# KiCad board P5S533-TVM ISA R101G.kicad_pcb (continued)
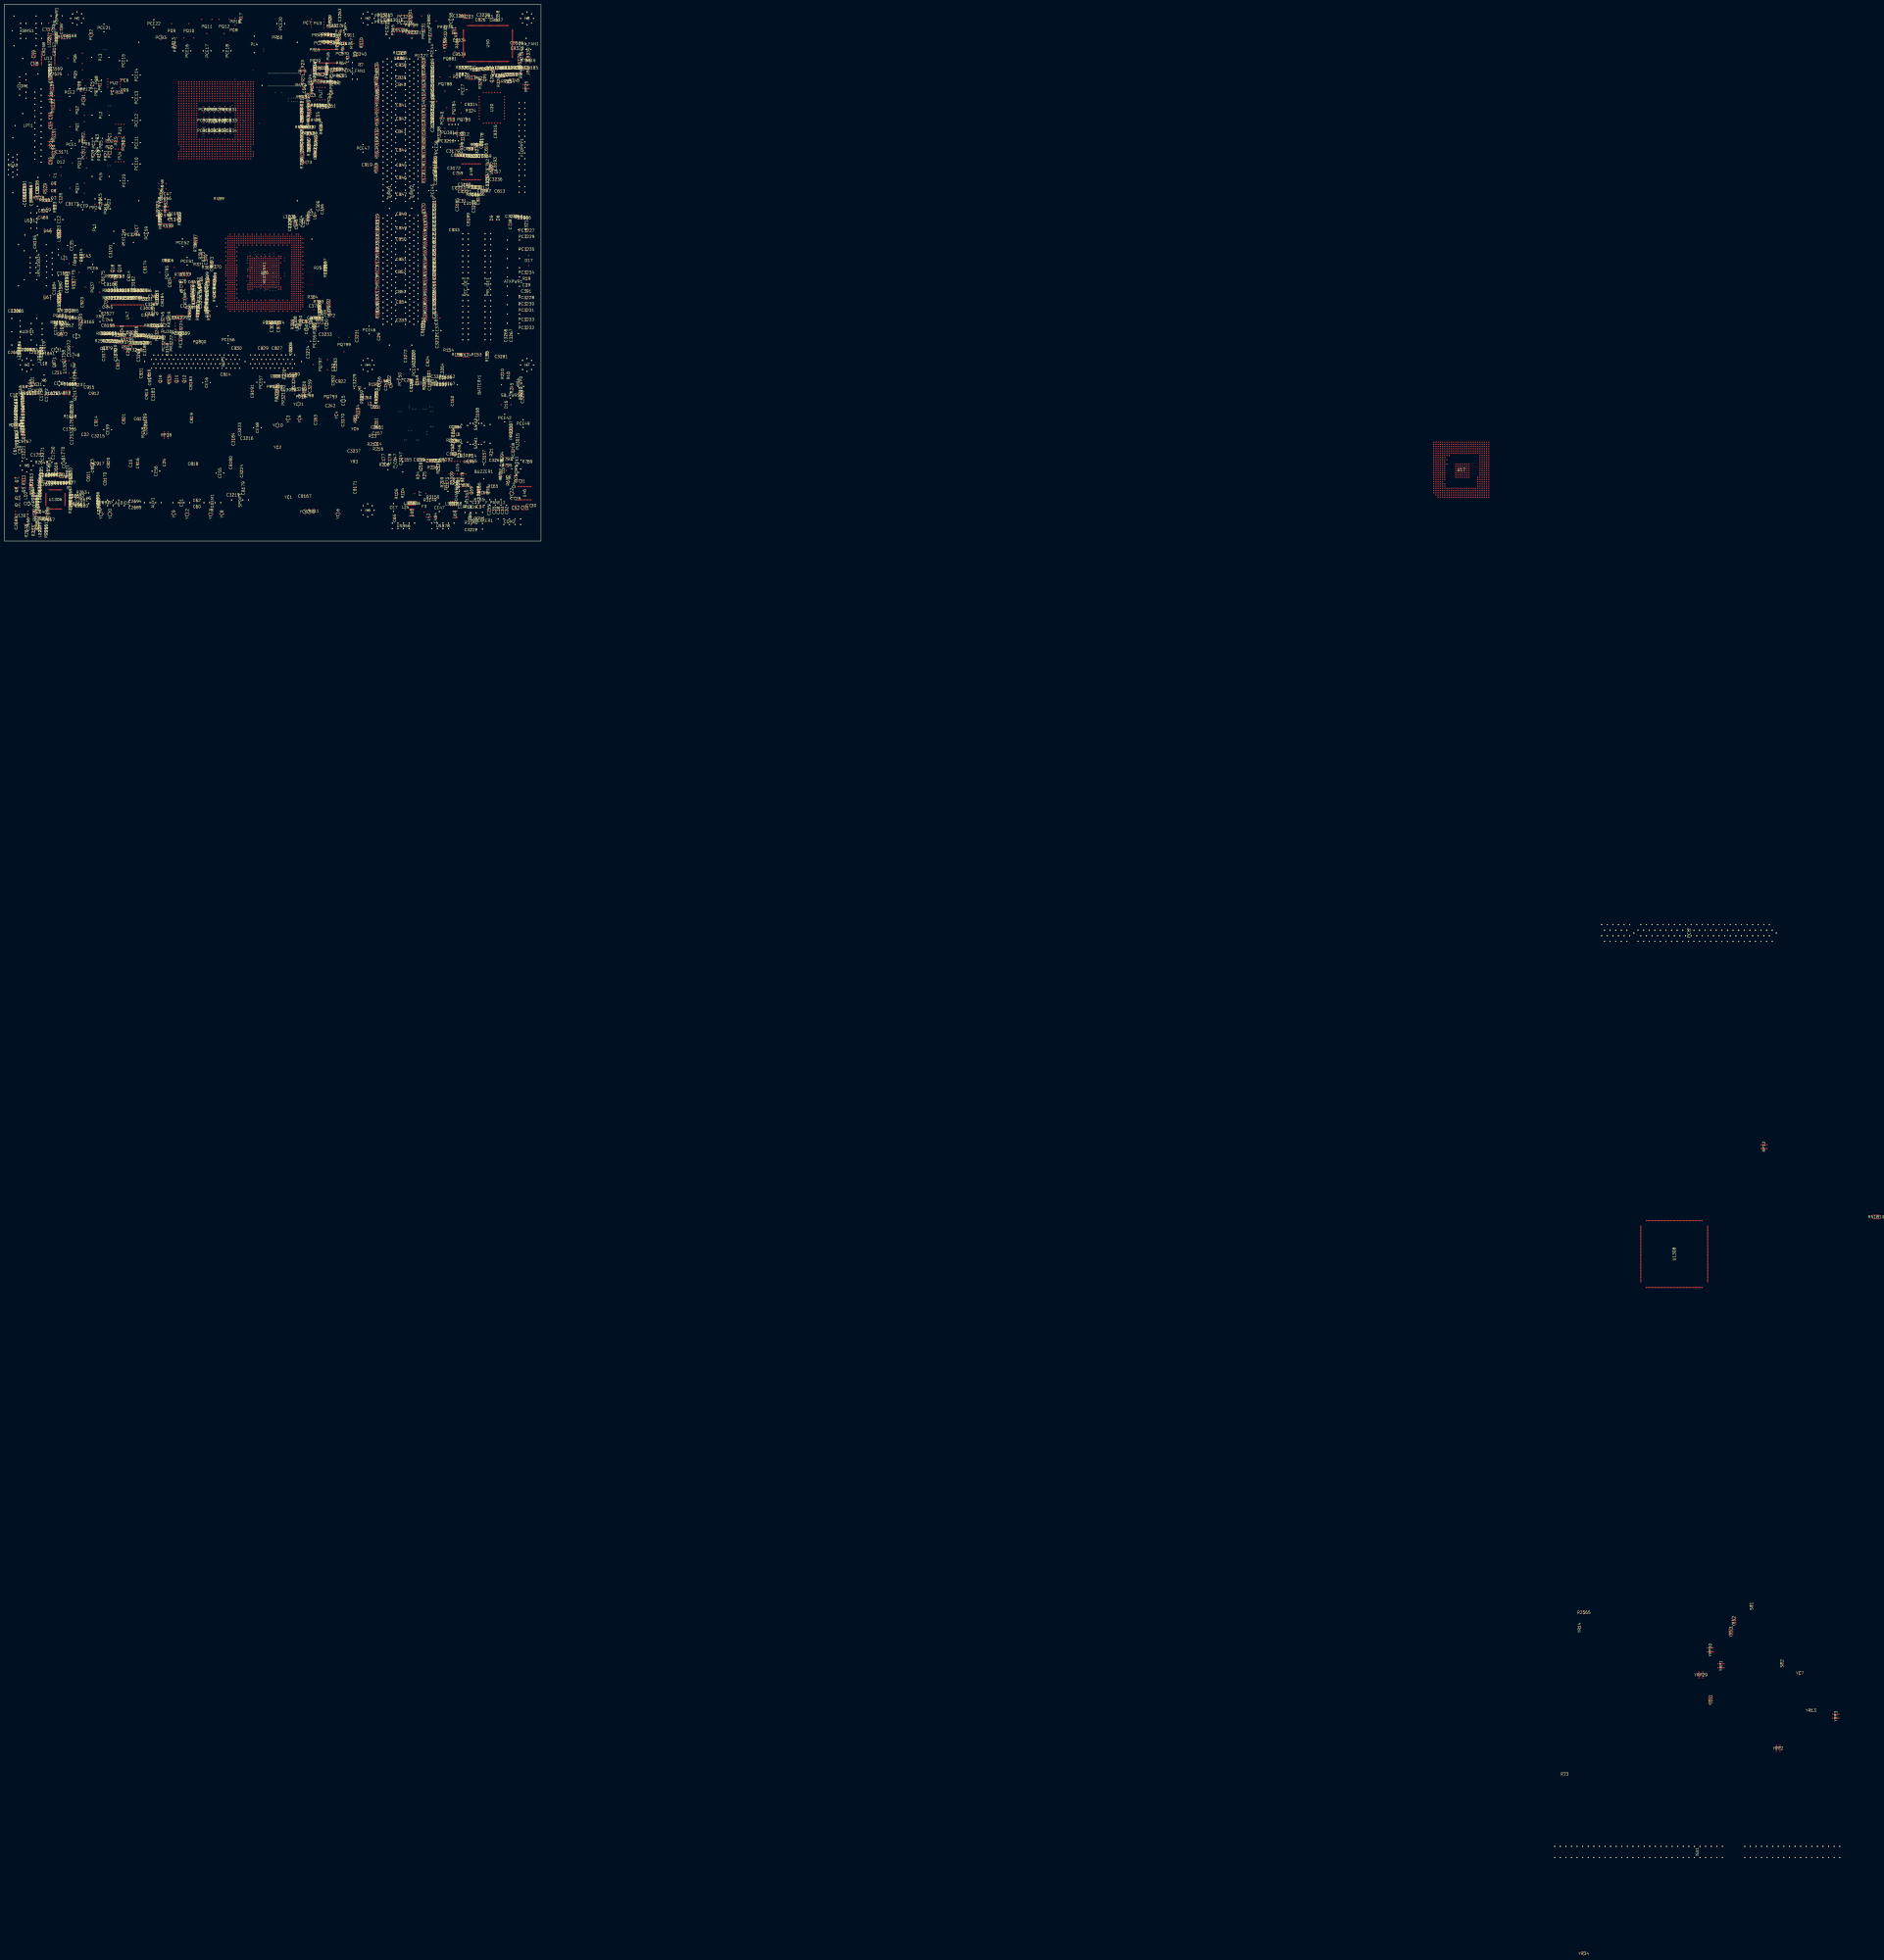
[diagram p0: board, top side]
## Nets (continued)
/+VTT_OUT_L: C53.1 C54.1 LGA775.574 R22.2 R473.2 R474.2 R487.1 R494.2 R495.2 R500.1 R501.1 R775.2 RN12.4 RN12.6 RN12.8 RN13.2 RN13.4 RN13.6
/+VTTCPU: C46.1 C47.1 C150.1 C165.1 CB93.1 CB94.1 CB95.1 CB96.1 CB97.1 CB98.1 CB99.1 L106.1 L107.2 LGA775.28 LGA775.29 LGA775.30 LGA775.31 LGA775.32 LGA775.33 LGA775.392 LGA775.393 LGA775.394 LGA775.395 LGA775.396 LGA775.397 LGA775.422 LGA775.423 LGA775.424 LGA775.425 LGA775.426 LGA775.427 LGA775.452 LGA775.453 LGA775.454 LGA775.455 LGA775.456 LGA775.457 PCE51.1 PCE52.1 PQ795.3 PR3219.2 R368.1 R369.2 R370.2 R478.2 R480.2 R481.2 R482.2 R483.2 R484.2 R485.2 R486.2 R496.2 R497.2 R499.2 R752.2 R781.2 R784.2 R785.2 R786.2 RN97.2 RN97.4 RN97.6 RN97.8 RN98.2 RN98.4 RN98.6 RN98.8 RN99.2 RN99.4 RN99.6 RN99.8 RP4.5 RP4.10 U17.36 U17.61 U26.8 U26.9 U26.10 U26.11 U26.12 U26.39 U26.411 U26.412 U26.413 U26.414 U26.415 U26.446 U26.447 U26.448 U26.449 U26.450 U26.481 U26.482 U26.483 U26.484 U26.485 U26.516 U26.517 U26.518 U26.519 U26.520 U26.545 U26.546 U26.547 U26.548 U26.549 U26.610 U26.611 U26.629 U26.630 U26.631 U26.632 U26.633 U26.634 U26.635 U26.636 U26.637 U26.662 U26.686 U26.710 U26.735 U26.759 U26.784 U26.809 U26.835
/+VTTCPU_CON_10: PC3246.1 PQ795.1 PU3017.1
/+VTTCPU_FB_10: PC3246.2 PR3219.1 PU3017.2
/+VTTCPU_REF_10: PC3242.1 PR3215.1 PR3218.2 PU3017.3
/+VTTDDR: C181.1 C182.1 C183.1 C184.1 C185.1 C186.1 C187.1 C188.1 C189.1 C190.1 C191.1 C192.1 C193.1 C194.1 C195.1 C196.1 C197.1 C198.1 C199.1 C200.1 C201.1 C202.1 C203.1 C204.1 C205.1 C206.1 C207.1 C208.1 C209.1 C210.1 C211.1 C212.1 C213.1 C214.1 C215.1 C216.1 C217.1 C218.1 C219.1 C220.1 C221.1 C222.1 C223.1 C224.1 C225.1 C226.1 C227.1 C228.1 C229.1 C230.1 C3235.2 CB106.2 CB107.2 CB115.2 PCE37.1 PCE38.1 PU3014.4 R226.2 RN36.2 RN36.4 RN36.6 RN36.8 RN38.2 RN38.4 RN38.6 RN38.8 RN40.2 RN40.4 RN40.6 RN40.8 RN41.2 RN41.4 RN41.6 RN41.8 RN43.2 RN43.4 RN43.6 RN43.8 RN45.2 RN45.4 RN45.6 RN45.8 RN46.2 RN46.4 RN46.6 RN46.8 RN47.2 RN47.4 RN47.6 RN47.8 RN48.2 RN48.4 RN48.6 RN48.8 RN49.2 RN49.4 RN49.6 RN49.8 RN51.2 RN51.4 RN51.6 RN51.8 RN52.2 RN52.4 RN52.6 RN52.8 RN54.2 RN54.4 RN54.6 RN54.8 RN55.2 RN55.4 RN55.6 RN55.8 RN57.2 RN57.4 RN57.6 RN57.8 RN58.2 RN58.4 RN58.6 RN58.8 RN61.2 RN61.4 RN61.6 RN61.8 RN63.2 RN63.4 RN63.6 RN63.8 RN65.2 RN65.4 RN65.6 RN65.8 RN67.2 RN67.4 RN67.6 RN67.8 RN70.2 RN70.4 RN70.6 RN70.8 RN72.2 RN72.4 RN72.6 RN72.8 RN74.2 RN74.4 RN74.6 RN74.8 RN76.2 RN76.4 RN76.6 RN76.8 RN79.2 RN79.4 RN79.6 RN79.8 RN81.2 RN81.4 RN81.6 RN81.8
/+VTTDDR_REF_10: PC3213.1 PR3196.2 PR3198.1 PU3014.3 PU3014.5
/_BEEP_AC: C2677.1 R1.2 U1306.12
/_FRONT_MIC: C2646.2 U1306.34
/A1AVDD: C3205.1 C3206.1 L3027.1 U26.402
/A_D0: PCI2.58 U17.487 U1308.32
/A_D1: PCI2.118 U17.473 U1308.31
/A_D2: PCI2.57 U17.474 U1308.30
/A_D3: PCI2.116 U17.475 U1308.29
/A_D4: PCI2.55 U17.476 U1308.27
/A_D5: PCI2.115 U17.455 U1308.26
/A_D6: PCI2.54 U17.456 U1308.25
/A_D7: PCI2.113 U17.457 U1308.24
/A_D8: PCI2.112 U17.437 U1308.21
/A_D9: PCI2.51 U17.438 U1308.20
/A_D10: PCI2.110 U17.439 U1308.19
/A_D11: PCI2.49 U17.440 U1308.17
/A_D12: PCI2.109 U17.419 U1308.16
/A_D13: PCI2.48 U17.420 U1308.15
/A_D14: PCI2.107 U17.421 U1308.14
/A_D15: PCI2.46 U17.422 U1308.13
/A_D16: PCI2.34 U17.367 U1308.159
/A_D17: PCI2.94 U17.368 U1308.158
/A_D18: PCI2.33 U17.347 U1308.157
/A_D19: PCI2.28 PCI2.92 U17.348 U1308.156
/A_D20: PCI2.31 U17.349 U1308.155
/A_D21: PCI2.91 U17.350 U1308.154
/A_D22: PCI2.30 U17.336 U1308.153
/A_D23: PCI2.89 U17.337 U1308.151 U1308.152
/A_D24: PCI2.27 U17.339 U1308.149
/A_D25: PCI2.86 U17.325 U1308.147
/A_D26: PCI2.25 U17.326 U1308.145
/A_D27: PCI2.85 U17.327 U1308.144
/A_D28: PCI2.24 U17.328 U1308.143
/A_D29: PCI2.83 U17.313 U1308.142
/A_D30: PCI2.22 U17.314 U1308.141
/A_D31: PCI2.82 U17.315 U1308.140
/AAD0: AGP1.64 U26.820
/AAD1: AGP1.126 U26.792
/AAD2: AGP1.62 U26.767
/AAD3: AGP1.124 U26.794
/AAD4: AGP1.61 U26.769
/AAD5: AGP1.123 U26.741
/AAD6: AGP1.59 U26.770
/AAD7: AGP1.121 U26.743
/AAD8: AGP1.118 U26.692
/AAD9: AGP1.55 U26.720
/AAD10: AGP1.117 U26.693
/AAD11: AGP1.53 U26.721
/AAD12: AGP1.115 U26.669
/AAD13: AGP1.52 U26.694
/AAD14: AGP1.114 U26.643
/AAD15: AGP1.50 U26.696
/AAD16: AGP1.42 U26.601
/AAD17: AGP1.103 U26.602
/AAD18: AGP1.41 U26.591
/AAD19: AGP1.101 U26.604
/AAD20: AGP1.39 U26.580
/AAD21: AGP1.100 U26.581
/AAD22: AGP1.38 U26.593
/AAD23: AGP1.98 U26.582
/AAD24: AGP1.33 U26.584
/AAD25: AGP1.95 U26.573
/AAD26: AGP1.32 U26.561
/AAD27: AGP1.94 U26.574
/AAD28: AGP1.30 U26.536
/AAD29: AGP1.92 U26.562
/AAD30: AGP1.29 U26.501
/AAD31: AGP1.91 U26.564
/AC97_VREF: C2662.2 C2663.2 U1306.27
/AC_BITCLK: C2652.1 R2657.1 U17.68
/AC_POP: RN11.2 RN11.4 RN11.6 U17.2
/AC_RST#: U17.174 U1306.11
/AC_SDIN0: R213.1 R2654.1 U17.253
/AC_SDIN1: R216.1 U17.173
/AC_SDOUT: R211.1 U17.43 U1306.5
/AC_SYNC: C11.1 U17.67 U1306.10
/ACK#: RN189.6 U50.34
/ACTLEDP: C1777.1 LAN_USB34.22 RN877.8
/ACXI: C2660.1 R263.2 R2665.1 U1306.2 X5.1
/ACXO: C2661.1 R2665.2 U1306.3 X5.2
/ADEVSEL#: AGP1.107 U26.600
/ADP_COMP_10: PC29.2 PR51.2 PU6.9
/ADSTB0: AGP1.120 U26.718
/ADSTB0#: AGP1.58 U26.742
/ADSTB1: AGP1.97 U26.560
/ADSTB1#: AGP1.35 U26.571
/AEN: ISA1.42 U1308.73 YRN3.1
/AFD#: CN5.3 LPT1.14 RN190.3 RP24.3
/AFILT1: C2664.2 U1306.29
/AFILT2: C2668.2 U1306.30
/AFRAME#: AGP1.44 U26.647
/AGNT#: AGP1.11 U26.507
/AGP_RST#: AGP1.10 U50.93
/AGPCLK: AGP1.72 C756.2 R2540.2
/AGPCOMPN: R366.1 U26.817
/AGPCOMPP: R367.1 U26.790
/AIRDY#: AGP1.106 U26.620
/AM7: LGA775.314 T5.1
/AN7: LGA775.344 R23.1
/APAR: AGP1.49 U26.644
/APERR: AGP1.109 RN34.8
/APICCLK: R3167.2 U17.170
/AREFCG: AGP1.127 C180.1 R220.2 R221.2 R222.1
/AREQ#: AGP1.73 U26.435
/ASERR#: AGP1.111 U26.672
/ASTOP#: AGP1.46 U26.618
/ATRDY#: AGP1.45 U26.645
/AUX: R1648.1 U1304.3
/AUX_IN_L: AUX1.1 C2672.2 RN1811.2
/AUX_IN_R: AUX1.4 C2669.2 RN1811.4
/AUX_L: C2672.1 U1306.14
/AUX_R: C2669.1 U1306.15
/AUXOK: C9.1 C14.2 R387.2 RN1.6 U17.1 U26.273 U50.75
/AVREFGC: AGP1.65 CB25.1 CB26.1 U26.791
/AXAVDD: C342.1 C343.1 L60.1 U26.3
/BALE: ISA1.28 U1308.74 YRN3.3
/BASS: C2648.2 C2649.1 L2022.1 R2655.2 RN1810.3
/BAT: CB540.1 CLRTC1.3 D10.3 U50.74
/BAT1: BATTERY1.1 R210.1
/BAT2: D10.2 R210.2
/BATOK: C173.2 D11.1 R209.1 U17.225
/BATT: C179.1 CLRTC1.2 D11.2 R70.2 R209.2 R3168.2 U17.198
/BCLK: ISA1.20 U1308.70 YC7.1
/BE0#: AGP1.56 PCI2.52 U17.458 U26.745 U1308.23
/BE1#: AGP1.112 PCI2.106 U17.401 U26.671 U1308.12
/BE2#: AGP1.104 PCI2.95 U17.366 U26.621 U1308.2
/BE3#: AGP1.36 PCI2.88 U17.338 U26.594 U1308.150
/BEEP_AC: Q33.3 R165.2 R2670.1 U50.118
/BIOSWP#: BIOS_WP0.1 R245.1 U50.88
/BK_LINE_OUT_LT: C2694.1 FP_AUDIO1.10 L2021.1 R217.2 R2678.2
/BK_LINE_OUT_RT: C2691.1 FP_AUDIO1.6 L2020.1 R215.2 R2677.2
/BLINK_PLED: Q69.1 R1703.2 U17.175
/BLUE: C141.1 L47.2 VGA1.3
/BNR#: LGA775.399 U26.786
/BOOTSEL: LGA775.764 R488.1
/BSEL0: LGA775.542 Q18.2 RP4.2
/BSEL0_CLK: Q18.3 RN17.5 RN195.6
/BSEL1: LGA775.573 Q19.2 RP4.3
/BSEL1_CLK: Q19.3 RN17.7 RN195.8
/BSEL2: LGA775.543 RP4.4
/BST1_20: PC1.1 PD2.1 PD2.2 PU1.1
/BST2_20: PC10.1 PD5.1 PD5.2 PU4.1
/BST3_20: PC7.1 PD4.1 PD4.2 PU3.1
/BST4_20: PC4.1 PD3.1 PD3.2 PU2.1
/BUSY: RN189.4 U50.33
/C1AVDD: C344.1 C345.1 L61.1 U26.199
/CBLIDA: PRI_IDE1.34 U17.134
/CBLIDB: SEC_IDE1.34 U17.141
/CCTS1#: CN8.5 COM1.8 U13.7
/CCTS2#: CN1.5 COM2.8 U46.7
/CD_GND: C2678.1 U1306.19
/CD_IN_GND: C2678.2 CD1.2 CD1.3 R2672.2
/CD_IN_L: C2676.2 CD1.1 RN1811.6
/CD_IN_R: C2675.2 CD1.4 RN1811.8
/CD_L: C2676.1 U1306.18
/CD_R: C2675.1 U1306.20
/CENTER: C2647.2 C2650.1 L2023.1 R2656.2 RN1810.1
/CHASFAN1: RN178.6 U50.113
/CHASSIS: CHASSIS1.3 R71.2 R3168.1 U50.76
/CK_PCI_FWH: R773.2 U30.31
/CKE0: DIMM1.21 RN92.8 U26.310
/CKE1: DIMM1.111 RN92.6 U26.377
/CKE2: DIMM2.21 RN92.4 U26.344
/CKE3: DIMM2.111 RN92.2 U26.309
/CLK_14_660: C779.2 R2561.2 U26.7
/CLK_14_AC97: C12.1 R262.2 R263.1
/CLKCPUPG: C3006.2 D3009.1 R305.1 R756.2 U47.33
/CLKREF_IN: R2533.1 U47.38
/CLKRST#: R2528.2 U47.4
/CLKRUN#: U1308.133 YRN3.7
/CLKVCC1: C26.1 C27.2 C28.2 C739.1 C740.1 C741.1 C742.1 C743.1 C744.1 C815.1 C920.2 C3187.1 C3189.1 CB16.2 CB186.1 CB188.2 L103.2 R3239.2 RN17.6 RN17.8 U47.1 U47.11 U47.13 U47.19 U47.28 U47.29 U47.42 U47.48
/CLKVCC_2.5V: C31.1 C615.2 C616.2 C758.1 C759.1 C760.1 C761.1 C762.1 C3166.1 C3167.1 C3190.2 CB15.2 L105.2 R801.2 U48.3 U48.12 U48.23
/CN_L_OUT_L: AUDIO1.22 C2683.1 L2021.2
/CN_L_OUT_R: AUDIO1.25 C2682.1 L2020.2
/CN_LINE_IN_L: AUDIO1.32 C2681.1 L2019.2
/CN_LINE_IN_R: AUDIO1.35 C2680.1 L2018.2
/CN_MIC: AUDIO1.2 C2685.1 L2023.2
/CN_MIC_PWR: AUDIO1.5 C2684.1 L2022.2
/COMP0: LGA775.16 R489.2
/COMP1: LGA775.700 R490.2
/COMP2: LGA775.515 R491.2
/COMP3: LGA775.684 R492.2
/COMP4: LGA775.575 R500.2
/COMP5: LGA775.701 R501.2
/CPU_FAN_CON_10: PC3260.2 PR3232.1 PU3018.7
/CPU_FAN_FB_10: PR3230.1 PR3233.2 PU3018.5
/CPU_FAN_REF_10: PC3260.1 PRN400.6 PU3018.6
/CPU_FANPWR: CB185.2 J1.1 PCE58.1 PQ880.2 PR3230.2 R315.2
/CPU_GTLREF0: C44.1 LGA775.544 R476.1
/CPU_GTLREF1: C63.1 LGA775.545 R780.1
/CPUCLK: LGA775.512 R8.1 R2529.2 R2530.1 TP1.1
/CPUCLK#: LGA775.541 R9.1 R2531.2 R2532.1 TP2.1
/CPUDXP: C37.1 LGA775.278 R138.1 U50.103
/CPUFAN_PWM1: CPU_FAN1.4 Q2.3 R7.2 RN10.1
/CPUFANPWM: RN178.4 U50.112
/CPURST#: LGA775.536 R475.1 R505.1 R775.1 U26.417
/CSCOMP_10: PC32.1 PC33.1 PR59.2 PR60.2 PU6.18
/CSN_10: PJP1.1 PJP2.1 PJP3.1 PJP4.1 PR1024.2
/CSREF_10: PC36.1 PR1024.1 PU6.16
/CSSUM_10: PC32.2 PC33.2 PR48.2 PR50.2 PR53.2 PR54.2 PR61.2 PU6.17
/CTRL18: R1652.1
/CTRL25: Q871.1
/CTS1#: U13.14 U50.49
/CTS2#: U46.14 U50.78
/CXAVDD: C3207.1 C3208.1 L3208.1 U26.200
/D2#: R801.1 R3233.1 U48.21
/D+5V: D12.2 F1.1 R2526.1 RN28.2 RN28.4 RP23.5 RP23.10 RP24.5 RP24.10
/DACK0#: ISA1.70 U1308.44
/DACK1#: ISA1.17 U1308.43
/DACK2#: ISA1.26 U1308.42
/DACK3#: ISA1.15 U1308.39
/DACK5#: ISA1.72 U1308.38
/DACK6#: ISA1.74 U1308.37
/DACK7#: ISA1.76 U1308.36
/DBI_HI: AGP1.15 U26.433
/DBI_LO: AGP1.79 U26.470
/DCD1#: U13.19 U50.56
/DCD2#: U46.19 U50.84
/DCLK0: C766.2 DIMM1.137 U48.26
/DCLK0#: C765.2 DIMM1.138 U48.27
/DCLK1: C770.2 DIMM1.16 U48.17
/DCLK1#: C769.2 DIMM1.17 U48.16
/DCLK2: C772.2 DIMM1.63 DIMM1.76 DIMM2.63 RN48.1 U26.289 U48.4
/DCLK2#: C771.2 DIMM1.75 U48.5
/DCLK3: C774.2 DIMM2.137 U48.2
/DCLK3#: C777.2 DIMM2.138 U48.1
/DCLK4: C780.2 DIMM2.16 U48.24
/DCLK4#: C781.2 DIMM2.17 U48.25
/DCLK5: C784.2 DIMM2.76 U48.13
/DCLK5#: C782.2 DIMM2.75 U48.14
/DCS#0: DIMM1.157 RN47.3 U26.252
/DCS#1: DIMM1.158 RN47.7 U26.216
/DCS#2: DIMM1.170 DIMM2.157 DIMM2.170 RN43.7 RN47.1 RN78.4 U26.287
/DCS#3: DIMM1.174 DIMM2.158 DIMM2.174 RN40.5 RN47.5 RN75.8 U26.358
/DDCD1#: CN9.7 COM1.1 U13.2
/DDCD2#: CN2.7 COM2.1 U46.2
/DDQS0: DIMM1.5 DIMM2.5 R226.1 R392.2
/DDQS1: DIMM1.14 DIMM2.14 R395.2 RN55.1
/DDQS2: DIMM1.25 DIMM2.25 RN52.3 RN64.6
/DDQS3: DIMM1.36 DIMM2.36 RN53.6 RN76.3
/DDQS4: DIMM1.56 DIMM2.56 R403.2 RN65.5
/DDQS5: DIMM1.67 DIMM2.67 RN46.3 RN68.6
/DDQS6: DIMM1.78 DIMM2.78 RN41.1 RN78.6
/DDQS7: DIMM1.86 DIMM2.86 R408.2 RN38.7
/DDR_VREF: CB35.1 CB36.1 CB37.1 DIMM1.1 DIMM2.1 R1227.1 R1228.2
/DDRAVDD: C354.1 C355.1 L64.1 U26.270
/DDRCOMN: R383.1 U26.314
/DDRCOMP: R384.1 U26.349
/DDRVREF: CB80.2 CB81.1 CB82.1 R390.1 R396.2 U26.153 U26.154
/DDSR1#: CN9.5 COM1.6 U13.3
/DDSR2#: CN2.5 COM2.6 U46.3
/DDTR1#: CN8.3 COM1.4 U13.8
/DDTR2#: CN1.3 COM2.4 U46.8
/DELAY_10: PC34.1 PR63.1 PU6.12
/DENSEL#: FLOPPY1.2 U50.1
/DEVSEL#: PCI2.99 RP12.2 U17.384 U1308.6
/DIR#: FLOPPY1.18 U50.8
/DLLAVDD: C304.1 C305.1 L54.1 U26.235
/DLLEN#: R381.1 U26.509
/DM0: DIMM1.97 DIMM2.97 RN37.2 RN57.1
/DM1: DIMM1.107 DIMM2.107 RN42.4 RN55.5
/DM2: DIMM1.119 DIMM2.119 RN50.2 RN51.1
/DM3: DIMM1.129 DIMM2.129 RN53.8 RN76.5
/DM4: DIMM1.149 DIMM2.149 RN61.1 RN62.4
/DM5: DIMM1.159 DIMM2.159 RN46.1 RN68.4
/DM6: DIMM1.169 DIMM2.169 RN43.5 RN78.2
/DM7: DIMM1.177 DIMM2.177 RN38.5 RN80.8
/DQM0: RN37.1 U26.376
/DQM1: RN42.3 U26.373
/DQM2: RN50.1 U26.229
/DQM3: RN53.7 U26.330
/DQM4: RN62.3 U26.220
/DQM5: RN68.3 U26.322
/DQM6: RN78.1 U26.282
/DQM7: RN80.7 U26.280
/DQS0: R392.1 U26.340
/DQS1: R395.1 U26.338
/DQS2: RN64.5 U26.370
/DQS3: RN53.5 U26.366
/DQS4: R403.1 U26.361
/DQS5: RN68.5 U26.357
/DQS6: RN78.5 U26.354
/DQS7: R408.1 U26.351
/DRAM_SEL: R386.1 U26.307
/DRQ0: ISA1.71 U1308.51 YRP1.1
/DRQ1: ISA1.18 U1308.50 YRP1.2
/DRQ2: ISA1.6 U1308.49 YRP1.3
/DRQ3: ISA1.16 U1308.48 YRP1.4
/DRQ5: ISA1.73 U1308.47 YRP1.6
/DRQ6: ISA1.75 U1308.46 YRP1.7
/DRQ7: ISA1.77 U1308.45 YRP1.8
/DRVA#: FLOPPY1.14 U50.6
/DSCAS#: DIMM1.65 DIMM2.65 RN48.7 U26.360
/DSKCHG#: FLOPPY1.34 RP25.3 U50.17
/DSR1#: U13.18 U50.50
/DSR2#: U46.18 U50.79
/DSRAS#: DIMM1.154 DIMM1.173 DIMM2.154 RN49.7 U26.217
/DTR1#: RN203.3 U13.13 U50.52
/DTR2#: U46.13 U50.81
/EECS: U1304.1
/EEDO: U1304.4
/EESK: R1649.1 U1304.2
/EN_AS: R56.1 U50.70
/ERROR#: RN190.6 U50.45
/F_LINE_OUT_LT: C2689.1 FP_AUDIO1.9 L11.2 L2024.2 R217.1
/F_LINE_OUT_RT: C2690.1 FP_AUDIO1.5 L10.2 L2025.2 R215.1
/F_MIC: C2693.1 FP_AUDIO1.1 L2027.2
/F_MIC_PWR: C2692.1 FP_AUDIO1.3 RN1810.7
/FANDC: PRN400.1 R358.1
/FANPWM: Q2.2 R7.1 U50.115
/FB+_10: PC27.1 PC873.1 PR47.2 PR3235.1
/FB-_10: PC23.2 PC873.2 PR38.1 PR3234.1
/FB_JP24_10: PJP7.2 PR3234.2
/FB_JP25_10: PJP6.2 PR3235.2
/FB_OUT: C3276.1 C3277.1 R79.2 R3230.2 U48.20
/FBRTN_10: PC23.1 PR38.2 PR39.1 PU6.7
/FC17: LGA775.766 R504.2
/FC18: LGA775.100 R503.2
/FRAME#: PCI2.36 RP12.4 U17.365 U1308.3
/FRONT_MIC: C2646.1 L2027.1 RN1810.5
/FWDSDCLK1: R3064.1 R3156.2
/FWDSDCLK2: R3065.1 R3157.2
/FWDSDCLK_IN: C790.1 R3064.2 R3065.2 U48.8
/FWHHINIT#: Q20.3 R326.1 U30.24
/FWHIC: R324.1 U30.29
/FWHWP#: R54.1 U17.26
/GC_DET#: AGP1.6 Q10.1 RN34.1 U26.436
/GNT1#: PCI2.19 U17.301
/GNT2#: U17.300 U1308.138 YR3.2
/GNT3#: U17.299
/GNT4#: U17.316
/GPIO11: R2.1 R3.1 U17.279
/GREEN: C140.1 L46.2 VGA1.2
/GTLREF_SEL: LGA775.572 R533.1
/HA20M#: LGA775.606 R752.1 U17.118
/HA#3: LGA775.624 U26.44
/HA#4: LGA775.673 U26.836
/HA#5: LGA775.640 U26.41
/HA#6: LGA775.623 U26.45
/HA#7: LGA775.639 U26.68
/HA#8: LGA775.687 U26.67
/HA#9: LGA775.704 U26.70
/HA#10: LGA775.721 U26.94
/HA#11: LGA775.703 U26.91
/HA#12: LGA775.720 U26.118
/HA#13: LGA775.719 U26.95
/HA#14: LGA775.736 U26.116
/HA#15: LGA775.735 U26.115
/HA#16: LGA775.752 U26.93
/HA#17: LGA775.55 U26.170
/HA#18: LGA775.753 U26.158
/HA#19: LGA775.769 U26.144
/HA#20: LGA775.767 U26.143
/HA#21: LGA775.37 U26.145
/HA#22: LGA775.87 U26.160
/HA#23: LGA775.38 U26.180
/HA#24: LGA775.54 U26.141
/HA#25: LGA775.70 U26.171
/HA#26: LGA775.53 U26.177
/HA#27: LGA775.132 U26.190
/HA#28: LGA775.131 U26.157
/HA#29: LGA775.163 U26.191
/HA#30: LGA775.161 U26.169
/HA#31: LGA775.162 U26.178
/HADS#: LGA775.429 U26.788
/HADSTB0#: LGA775.689 U26.43
/HADSTB1#: LGA775.86 U26.167
/HBPM0#: ITP1.17 LGA775.219 RN14.1
/HBPM1#: ITP1.15 LGA775.218 RN16.1
/HBPM2#: ITP1.11 LGA775.83 RN16.3
/HBPM3#: ITP1.9 LGA775.159 RN16.5
/HBPM4#: ITP1.5 LGA775.129 RN16.7
/HBPM5#: ITP1.3 LGA775.160 RN15.1
/HBPRI#: LGA775.521 U26.715
/HBREQ0#: LGA775.487 R473.1 R779.2 U26.761
/HD#0: LGA775.371 U26.690
/HD#1: LGA775.402 U26.667
/HD#2: LGA775.7 U26.666
/HD#3: LGA775.403 U26.615
/HD#4: LGA775.8 U26.688
/HD#5: LGA775.373 U26.687
/HD#6: LGA775.374 U26.639
/HD#7: LGA775.10 U26.641
/HD#8: LGA775.13 U26.616
/HD#9: LGA775.14 U26.598
/HD#10: LGA775.377 U26.614
/HD#11: LGA775.408 U26.612
/HD#12: LGA775.435 U26.596
/HD#13: LGA775.379 U26.665
/HD#14: LGA775.409 U26.595
/HD#15: LGA775.438 U26.589
/HD#16: LGA775.522 U26.576
/HD#17: LGA775.492 U26.569
/HD#18: LGA775.493 U26.585
/HD#19: LGA775.465 U26.587
/HD#20: LGA775.434 U26.558
/HD#21: LGA775.466 U26.578
/HD#22: LGA775.437 U26.568
/HD#23: LGA775.495 U26.588
/HD#24: LGA775.496 U26.555
/HD#25: LGA775.440 U26.534
/HD#26: LGA775.469 U26.498
/HD#27: LGA775.526 U26.532
/HD#28: LGA775.498 U26.556
/HD#29: LGA775.527 U26.464
/HD#30: LGA775.499 U26.565
/HD#31: LGA775.528 U26.499
/HD#32: LGA775.529 U26.497
/HD#33: LGA775.471 U26.495
/HD#34: LGA775.472 U26.530
/HD#35: LGA775.531 U26.428
/HD#36: LGA775.530 U26.496
/HD#37: LGA775.501 U26.429
/HD#38: LGA775.502 U26.427
/HD#39: LGA775.474 U26.462
/HD#40: LGA775.475 U26.493
/HD#41: LGA775.504 U26.461
/HD#42: LGA775.477 U26.425
/HD#43: LGA775.505 U26.424
/HD#44: LGA775.534 U26.459
/HD#45: LGA775.478 U26.423
/HD#46: LGA775.449 U26.553
/HD#47: LGA775.535 U26.528
/HD#48: LGA775.447 U26.422
/HD#49: LGA775.444 U26.457
/HD#50: LGA775.17 U26.492
/HD#51: LGA775.412 U26.421
/HD#52: LGA775.411 U26.526
/HD#53: LGA775.382 U26.490
/HD#54: LGA775.415 U26.491
/HD#55: LGA775.383 U26.420
/HD#56: LGA775.20 U26.419
/HD#57: LGA775.385 U26.455
/HD#58: LGA775.418 U26.551
/HD#59: LGA775.388 U26.489
/HD#60: LGA775.386 U26.487
/HD#61: LGA775.22 U26.418
/HD#62: LGA775.25 U26.522
/HD#63: LGA775.389 U26.453
/HDBI0#: LGA775.11 U26.712
/HDBI1#: LGA775.524 U26.533
/HDBI2#: LGA775.446 U26.426
/HDBI3#: LGA775.417 U26.552
/HDBSY#: LGA775.369 U26.763
/HDEFER#: LGA775.520 U26.739
/HDRDY#: LGA775.398 U26.814
/HDSEL#: FLOPPY1.32 U50.16
/HDSTBN0#: LGA775.405 U26.663
/HDSTBN1#: LGA775.525 U26.567
/HDSTBN2#: LGA775.533 U26.554
/HDSTBN3#: LGA775.19 U26.488
/HDSTBP0#: LGA775.376 U26.638
/HDSTBP1#: LGA775.468 U26.575
/HDSTBP2#: LGA775.532 U26.494
/HDSTBP3#: LGA775.414 U26.524
/HFERR#: LGA775.686 R486.1 U17.144
/HG1_20: PQ1.1 PQ2.1 PR1.2 PR2.1
/HG2_20: PQ13.1 PQ14.1 PR19.2 PR20.2
/HG3_20: PQ9.1 PQ10.1 PR13.2 PR14.2
/HG4_20: PQ5.1 PQ6.1 PR7.2 PR8.1
/HIERR#: LGA775.51 R472.1
/HIGNNE#: LGA775.653 R482.1 U17.116
/HINIT#: LGA775.670 R327.1 R474.1 U17.63
/HINTR: LGA775.604 R480.1 U17.90
/HIT#: LGA775.431 U26.764
/HITM#: LGA775.460 U26.716
/HLOCK#: LGA775.400 U26.737
/HNCMPVREF: C349.1 R368.2 R372.1 U26.416
/HNCOMP: R370.1 U26.451
/HNMI: LGA775.620 R481.1 U17.117
/HPCOMP: R373.1 U26.486
/HREQ0#: LGA775.607 U26.839
/HREQ1#: LGA775.578 U26.813
/HREQ2#: LGA775.641 U26.811
/HREQ3#: LGA775.609 U26.837
/HREQ4#: LGA775.579 U26.815
/HRS0#: LGA775.370 U26.765
/HRS1#: LGA775.489 U26.736
/HRS2#: LGA775.6 U26.714
/HSDAC+: R1657.2
/HSMI#: LGA775.669 R478.1 U17.143
/HSTPCLK#: LGA775.638 R483.1 U17.62
/HTCK: ITP1.57 LGA775.98 RN15.5
/HTDI: ITP1.56 LGA775.82 RN14.5
/HTDO: ITP1.52 LGA775.128 RN14.3
/HTHERMTRIP#: LGA775.637 R485.1 U17.64
/HTMS: ITP1.58 LGA775.66 RN14.7
/HTRDY#: LGA775.459 U26.785
/HTRST#: ITP1.54 LGA775.158 RN15.7
/HVID0: LGA775.309 PU6.5 RP3.1
/HVID1: LGA775.282 PU6.4 RP3.2
/HVID2: LGA775.310 PU6.3 RP3.3
/HVID3: LGA775.283 PU6.2 RP3.4
/HVID4: LGA775.251 PU6.1 RP3.6
/HVID5: LGA775.281 PU6.6 RP3.7
/IDEACTP#: D5.1 PRI_IDE1.39
/IDEACTS#: D5.2 SEC_IDE1.39
/IDELED+: C34.2 F_PANEL1.1 R161.1
/IDELED-: C35.2 D5.3 D6.3 F_PANEL1.3
/IDERST#: PRI_IDE1.1 R140.1 SEC_IDE1.1 U50.94
/IIRQA: PRI_IDE1.31 RN24.3 U17.81
/IIRQB: RN24.7 SEC_IDE1.31 U17.88
/INDEX#: FLOPPY1.8 RP25.2 U50.3
/INTA#: AGP1.9 PCI2.69 RP28.8 U17.278 U26.439
/INTB#: AGP1.71 PCI2.9 RP28.9 U17.251
/INTC#: PCI2.70 RP28.6 U17.250
/INTD#: PCI2.8 RP28.7 U17.249
/IO48M: R2554.2 U50.18
/IO+5V: F1.2 VGA1.9
/IOCHCK#: ISA1.32 U1308.68 YRP29.6
/IOCHRDY: ISA1.41 SR1.1 U1308.71
/IOCS16#: ISA1.64 U1308.66 YRN1.3
/IOR#: ISA1.14 U1308.79 YRP29.1
/IOW#: ISA1.13 U1308.78 YRP29.2
/IRDY#: PCI2.97 RP12.9 U17.386 U1308.4
/IRQ3: ISA1.25 U1308.63 YRN2.5
/IRQ4: ISA1.24 U1308.62 YRN2.3
/IRQ5: ISA1.23 U1308.61 YRN2.1
/IRQ6: ISA1.22 U1308.60 YRP30.6
/IRQ7: ISA1.21 U1308.59 YRP30.7
/IRQ9: ISA1.4 U1308.58 YR34.1 YRP30.9
/IRQ10: ISA1.65 U1308.57 YRP30.8
/IRQ11: ISA1.66 U1308.56 YRP30.1
/IRQ12: ISA1.67 U1308.55 YRP30.2
/IRQ14: ISA1.69 U1308.54 YRP30.3
/IRQ15: ISA1.68 U1308.53 YRP30.4
/ISOLATE_LAN: RN8.6 U17.200
/ISOLATEB: Q2117.3 R1659.1 R1660.2 RN8.3
/ITP_CLK: ITP1.40 LGA775.250 R8.2 T2.1
/ITP_CLK#: ITP1.42 LGA775.220 R9.2 T3.1
/ITP_CPURST#: ITP1.46 R505.2
/ITP_TESTIN#: ITP1.41 RN15.3
/JD0: C2688.1 RN1812.7 U1306.45
/JD1: C2687.1 RN1812.5 U1306.17
/JD2: C2686.1 RN1812.3 U1306.16
/KBCLK: RN194.3 U17.6
/KBDATA: RN194.5 U17.177
/KBPWR: C736.1 F9.1 KBPWR1.2
/L+12V: PCB1.1 PCB2.1 PCB3.1 PCB12.1 PCE1.1 PCE2.1 PCE9.1 PCE21.1 PCE22.1 PL1.2 PQ1.2 PQ2.2 PQ5.2 PQ6.2 PQ9.2 PQ10.2 PQ13.2 PQ14.2
/LA20: ISA1.85 U1308.116
/LA21: ISA1.84 U1308.117
/LA22: ISA1.83 U1308.118
/LA23: ISA1.82 U1308.119
/LAD0: U17.70 U30.13 U50.27
/LAD1: U17.69 U30.14 U50.26
/LAD2: U17.119 U30.15 U50.25
/LAD3: U17.145 U30.17 U50.24
/LAN1394_RST#: U50.90
/LAN_RSET: R1650.2
/LDRQ0#: U17.120 U50.22
/LED3: R1673.1
/LED+: C36.2 F_PANEL1.2 PLED1.1 R3540.1
/LED-: C38.2 F_PANEL1.4 PLED1.3 Q69.3
/LFRAME#: U17.95 U30.23 U50.29
/LG1_20: PQ3.1 PQ4.1 PR5.2 PU1.5
/LG2_20: PQ15.1 PQ16.1 PR23.1 PU4.5
/LG3_20: PQ11.1 PQ12.1 PR17.1 PU3.5
/LG4_20: PQ7.1 PQ8.1 PR11.1 PU2.5
/LINE_IN_L: C2653.2 U1306.23
/LINE_IN_LT: C2653.1 L2019.1 R2662.2
/LINE_IN_R: C2651.2 U1306.24
/LINE_IN_RT: C2651.1 L2018.1 R2663.2
/LINE_OUT_L: CE41.1 U1306.35
/LINE_OUT_LT: CE41.2 L2024.1 Q4.3 Q8.3 R2660.2
/LINE_OUT_R: CE40.1 U1306.36
/LINE_OUT_RT: CE40.2 L2025.1 Q3.3 Q7.3 R2661.2
/LINK100#: C1778.1 LAN_USB34.19 RN877.2
/LINK1000#: C1779.1 LAN_USB34.20 R1673.2 RN877.4
/LKBCLK: CN7.3 KBMS1.5 L99.1
/LKBDATA: CN7.7 KBMS1.1 L98.2
/LMSCLK: CN7.1 KBMS1.11 L102.1
/LMSDATA: CN7.5 KBMS1.7 L101.2
/MAA0: DIMM1.48 DIMM2.48 RN72.7 U26.364
/MAA1: DIMM1.43 DIMM2.43 RN72.5 U26.293
/MAA2: DIMM1.41 DIMM2.41 RN72.3 U26.292
/MAA3: DIMM1.130 DIMM2.130 RN74.1 U26.258
/MAA4: DIMM1.37 DIMM2.37 RN76.7 U26.223
/MAA5: DIMM1.32 DIMM2.32 RN81.7 U26.226
/MAA6: DIMM1.125 DIMM2.125 RN79.1 U26.296
/MAA7: DIMM1.29 DIMM2.29 RN51.7 U26.297
/MAA8: DIMM1.122 DIMM2.122 RN81.1 U26.368
/MAA9: DIMM1.27 DIMM2.27 RN52.7 U26.369
/MAA10: DIMM1.141 DIMM2.141 RN70.1 U26.328
/MAA11: DIMM1.59 DIMM2.59 RN61.7 U26.288
/MAA12: DIMM1.52 DIMM2.52 RN70.3 U26.363
/MAA13: DIMM1.118 DIMM2.118 RN52.5 U26.334
/MAA14: DIMM1.115 DIMM2.115 RN67.3 U26.262
/MASTER#: ISA1.79 U1308.72 YRN1.7
/MD0: RN35.3 U26.305
/MD1: RN35.7 U26.342
/MD2: RN37.3 U26.198
/MD3: RN39.1 U26.268
/MD4: RN35.1 U26.304
/MD5: RN35.5 U26.197
/MD6: RN37.5 U26.375
/MD7: RN37.7 U26.303
/MD8: RN39.3 U26.267
/MD9: RN39.7 U26.231
/MD10: RN44.1 U26.372
/MD11: RN44.3 U26.230
/MD12: RN39.5 U26.302
/MD13: RN42.1 U26.374
/MD14: RN42.5 U26.301
/MD15: RN42.7 U26.266
/MD16: RN44.7 U26.336
/MD17: RN64.1 U26.371
/MD18: RN50.3 U26.264
/MD19: RN69.3 U26.227
/MD20: RN44.5 U26.300
/MD21: RN64.3 U26.299
/MD22: RN50.5 U26.228
/MD23: RN69.1 U26.298
/MD24: RN69.5 U26.332
/MD25: RN53.3 U26.295
/MD26: RN56.1 U26.365
/MD27: RN56.5 U26.224
/MD28: RN69.7 U26.225
/MD29: RN53.1 U26.367
/MD30: RN56.3 U26.260
/MD31: RN56.7 U26.294
/MD32: RN59.1 U26.291
/MD33: RN59.7 U26.326
/MD34: RN62.1 U26.290
/MD35: RN66.1 U26.218
/MD36: RN59.3 U26.256
/MD37: RN59.5 U26.362
/MD38: RN62.5 U26.219
/MD39: RN62.7 U26.254
/MD40: RN66.3 U26.215
/MD41: RN68.1 U26.214
/MD42: RN73.1 U26.285
/MD43: RN73.3 U26.356
/MD44: RN66.5 U26.286
/MD45: R223.1 U26.250
/MD46: RN73.5 U26.284
/MD47: RN73.7 U26.213
/MD48: RN71.1 U26.248
/MD49: RN71.3 U26.212
/MD50: RN75.1 U26.211
/MD51: RN75.5 U26.353
/MD52: RN71.5 U26.320
/MD53: RN71.7 U26.355
/MD54: RN78.3 U26.283
/MD55: RN75.3 U26.318
/MD56: RN80.3 U26.210
/MD57: RN80.5 U26.352
/MD58: RN82.5 U26.244
/MD59: RN82.7 U26.350
/MD60: RN75.7 U26.246
/MD61: RN80.1 U26.281
/MD62: RN82.1 U26.316
/MD63: RN82.3 U26.279
/MDD0: DIMM1.2 DIMM2.2 RN35.4 RN58.3
/MDD1: DIMM1.4 DIMM2.4 RN35.8 RN58.7
/MDD2: DIMM1.6 DIMM2.6 RN37.4 RN57.3
/MDD3: DIMM1.8 DIMM2.8 RN39.2 RN63.1
/MDD4: DIMM1.94 DIMM1.166 DIMM2.94 DIMM2.166 RN35.2 RN43.3 RN58.1 RN71.8
/MDD5: DIMM1.95 DIMM2.95 RN35.6 RN58.5
/MDD6: DIMM1.98 DIMM2.98 RN37.6 RN57.5
/MDD7: DIMM1.99 DIMM2.99 RN37.8 RN57.7
/MDD8: DIMM1.12 DIMM2.12 RN39.4 RN63.3
/MDD9: DIMM1.13 DIMM2.13 RN39.8 RN63.7
/MDD10: DIMM1.19 DIMM2.19 RN44.2 RN54.3
/MDD11: DIMM1.20 DIMM2.20 RN44.4 RN54.5
/MDD12: DIMM1.105 DIMM2.105 RN39.6 RN63.5
/MDD13: DIMM1.106 DIMM2.106 RN42.2 RN55.3
/MDD14: DIMM1.109 DIMM2.109 RN42.6 RN55.7
/MDD15: DIMM1.110 DIMM2.110 RN42.8 RN54.1
/MDD16: DIMM1.23 DIMM2.23 RN44.8 RN67.5
/MDD17: DIMM1.24 DIMM2.24 RN64.2 RN67.7
/MDD18: DIMM1.28 DIMM2.28 RN50.4 RN51.3
/MDD19: DIMM1.31 DIMM1.165 DIMM2.31 DIMM2.165 RN43.1 RN69.4 RN71.6 RN81.5
